# Altium PCB MB V7.PcbDoc (part 1 of 3) (continued)
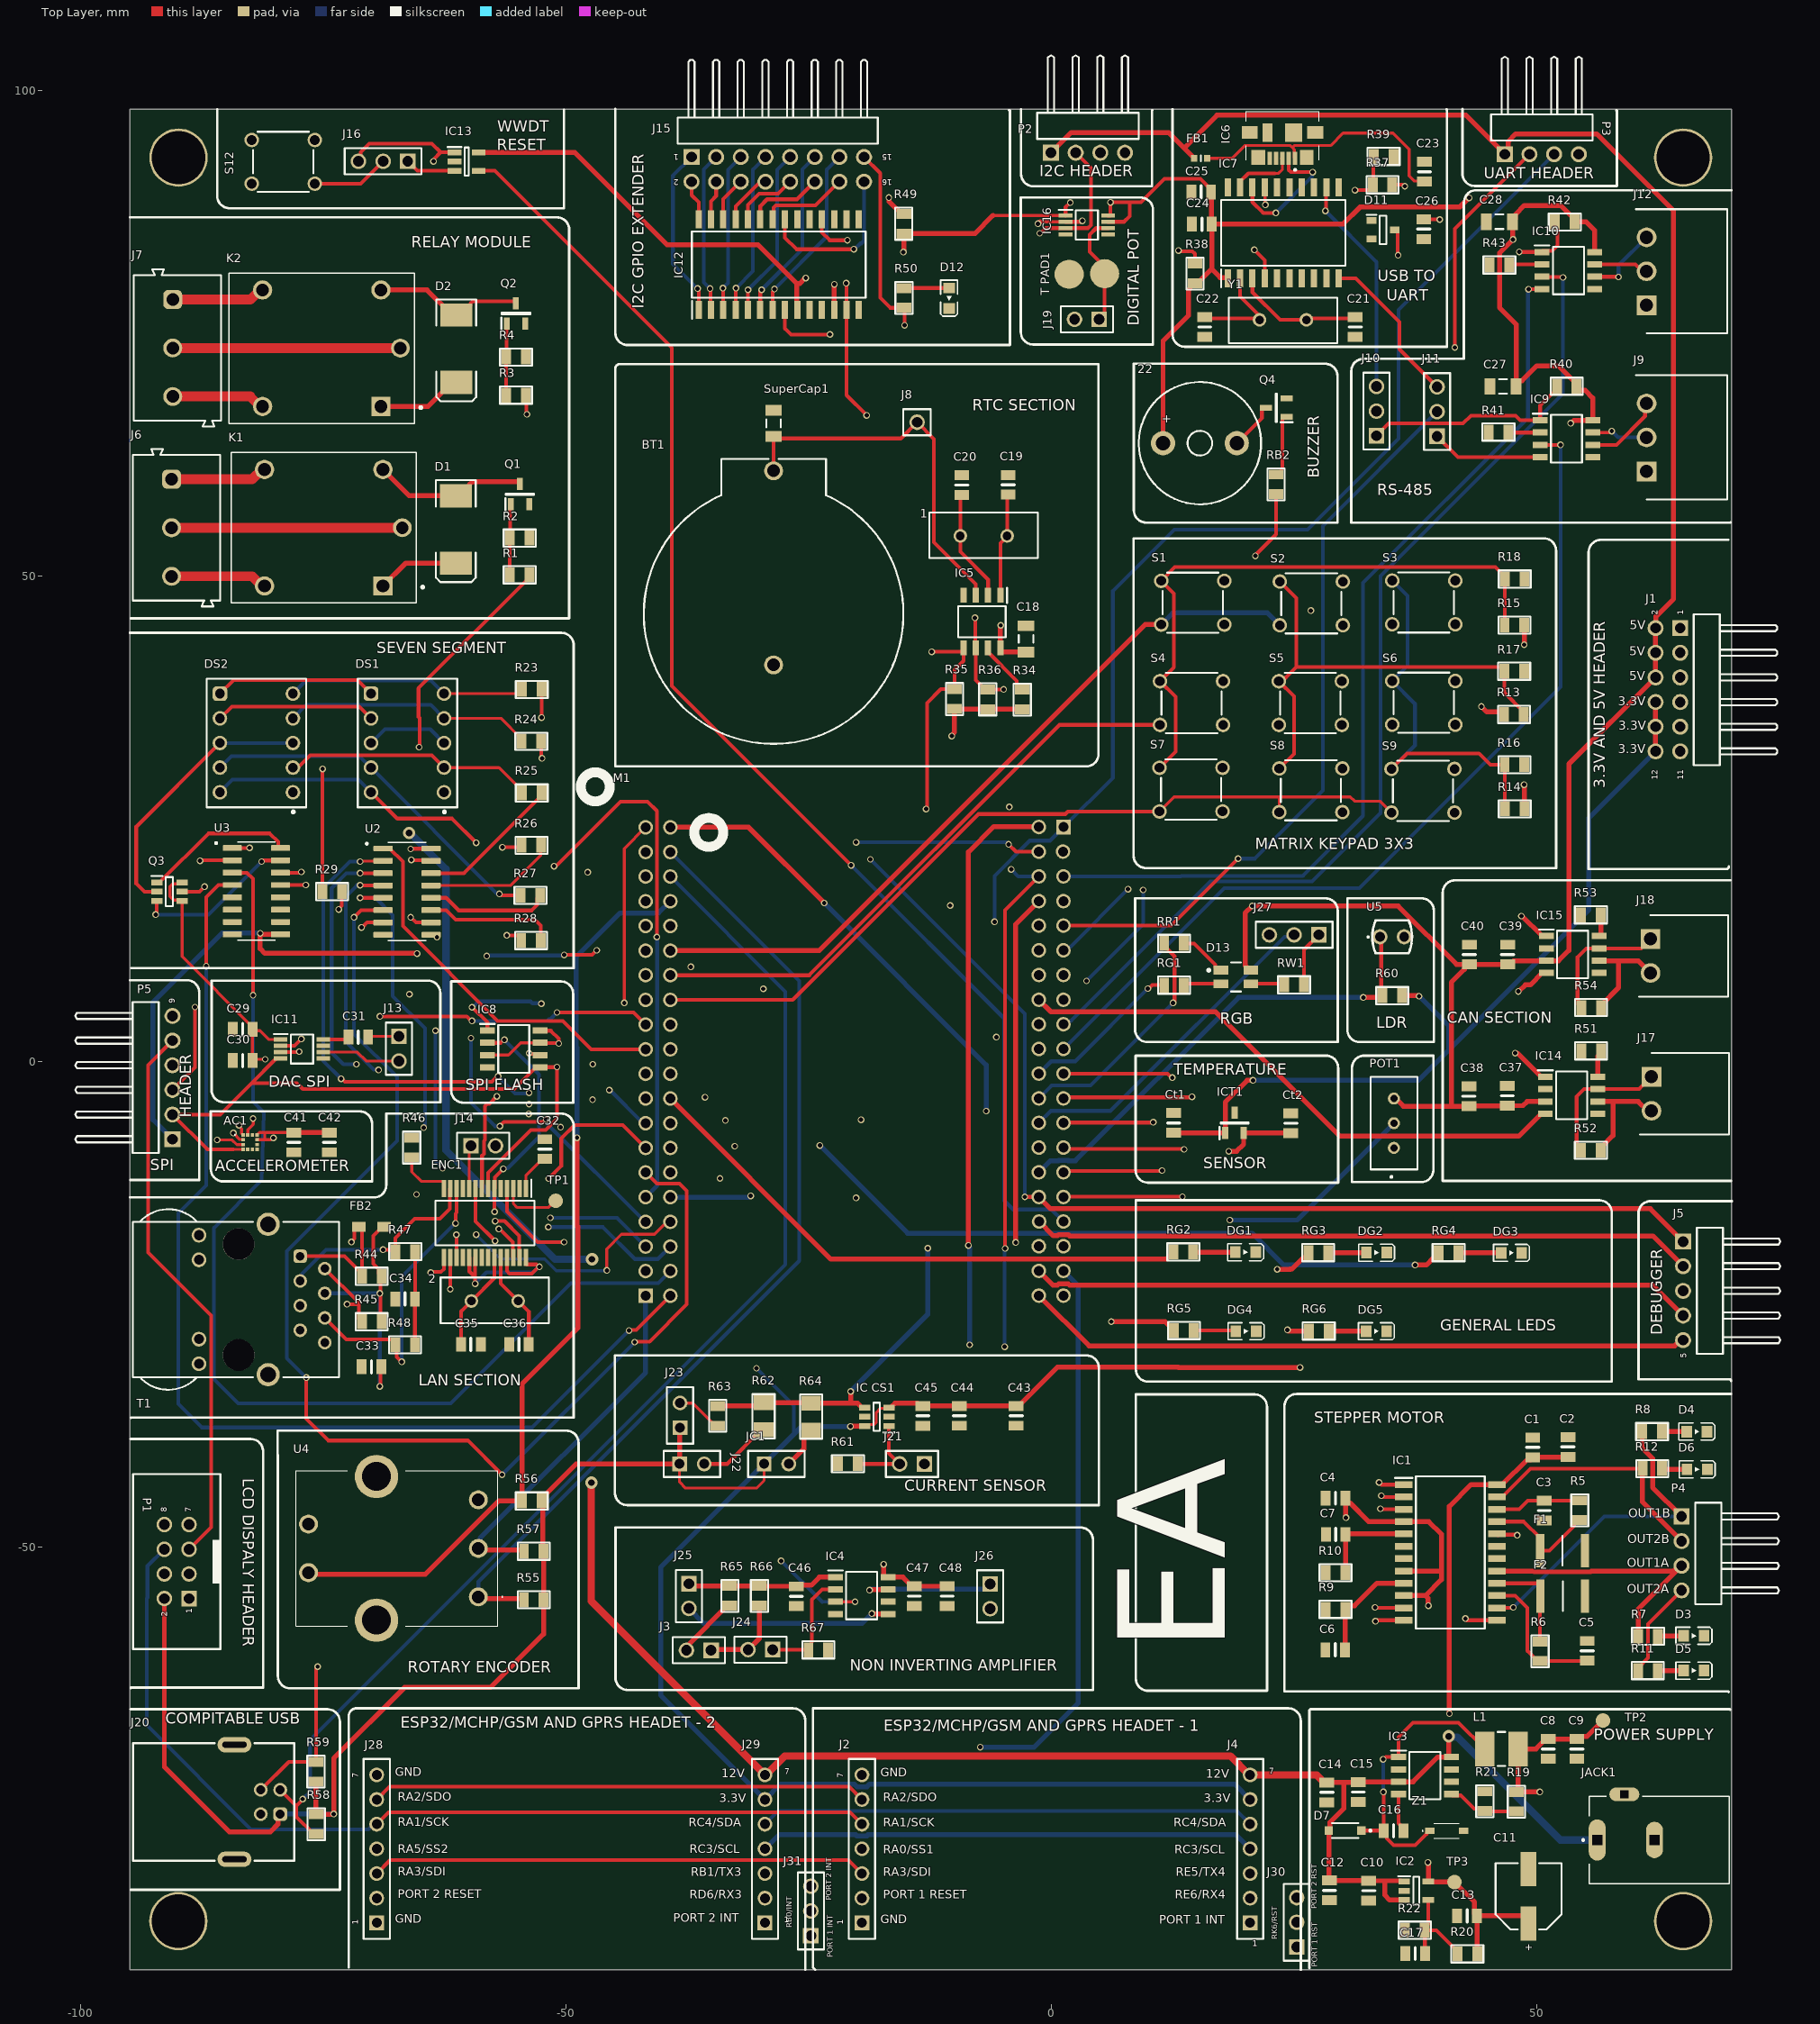
[diagram p0: Top Layer view]
## Components (designator, comment, footprint, x,y, rotation, side; value= is the part's Value field where it differs from the comment) (continued)
F1 "MF-MSMF050-2" FUSC4632X85N 52.692,-50.419 r180 top
F2 "MF-MSMF050-2" FUSC4632X85N 52.718,-55.093 r180 top
FB1 "BLM18SG121TN1D" BLM18EG101TH1D 15.416,93.015 r0 top
FB2 "320Ohm" WE-MPSA_0805_L2W1.2H0.9 -70.028,-17.043 r180 top
IC1 "MTS2916A" SOIC127P1046X264-24N 41.135,-50.597 r0 top
IC2 "MIC5207YM5-TR" SOT95P280X130-5N 37.625,-85.446 r0 top
IC3 "MIC4684BM" SOIC127P602X173-8N 38.519,-73.584 r0 top
IC4 "MCP607-I_SN" SOIC127P600X175-8N -19.52,-55.042 r0 top
IC5 "MCP79402-I_SN" SOIC127P600X175-8N -7.131,45.288 r270 top
IC6 "" 0473461001 23.838,94.996 r180 top
IC7 "MCP2200-I_SO" SOIC127P1030X265-20N 23.914,85.344 r90 top
IC8 "SST25VF512A-33-4C-SAE" SOIC127P600X175-8N -55.372,1.27 r0 top
IC9 "THVD1450D" SOIC127P600X175-8N 53.099,64.135 r0 top
IC10 "THVD1450D" SOIC127P600X175-8N 53.302,81.458 r0 top
IC11 "MCP4822-E_MS" SOP65P490X110-8N -77.191,1.27 r0 top
IC12 "MCP23017T-E_SO" SOIC127P1030X265-28N -28.067,82.067 r90 top
IC13 "MCP1320T-25LE_OT" SOT95P270X145-5N -60.223,92.685 r0 top
IC14 "MCP2551-E_SN" SOIC127P600X175-8N 53.632,-3.505 r0 top
IC15 "MCP2551-E_SN" SOIC127P600X175-8N 53.734,10.998 r0 top
IC16 "MCP4561-103E_MS" SOP65P490X110-8N 3.683,86.157 r0 top
"IC CS1" "MCP6C02T-020E_CHY" SOT95P280X145-6N -17.965,-36.627 r180 top
ICT1 "MCP9700T-E_TT" SOT95P237X112-3N 18.885,-6.35 r90 top
J1 "61301221021" 61301221021 67.551,38.278 r90 top
J2 "61300711821" 61300711821 -19.494,-81.128 r90 top
J3 "61300211121" 61300211121 -36.309,-60.681 r180 top
J4 "61300711821" 61300711821 20.506,-81.128 r90 top
J5 "61300511021" 61300511021 67.882,-23.647 r90 top
J6 "691101710003" 691101710003 -90.127,54.965 r270 top
J7 "691101710003" 691101710003 -90.018,73.482 r270 top
J8 "61300111121" 61300111121 -13.818,65.837 r0 top
J9 "284512-3" SHDRRA3W80P0X350_1X3_1250X920X745P 61.354,60.767 r270 top
J10 "61300311121" 61300311121 33.515,66.98 r90 top
J11 "61300311121" 61300311121 39.764,66.929 r90 top
J12 "284512-3" SHDRRA3W80P0X350_1X3_1250X920X745P 61.354,77.882 r270 top
J13 "61300211121" 61300211121 -67.208,1.295 r270 top
J14 "61300211121" 61300211121 -58.522,-8.712 r0 top
J15 "61301621021" 61301621021 -28.169,95.885 r180 top
J16 "61300311121" 61300311121 -68.834,92.71 r180 top
J17 "1844210" SHDRRA2W80P0X350_1X2_840X920X825P 61.862,-1.6 r270 top
J18 "1844210" SHDRRA2W80P0X350_1X2_840X920X825P 61.76,12.598 r270 top
J19 "61300211121" 61300211121 3.683,76.429 r180 top
J20 "61410416121R" 61410416121R -86.296,-76.302 r270 top
J21 "61300211121" 61300211121 -14.338,-41.478 r180 top
J22 "61300211821" 61300211821 -37.02,-41.478 r0 top
J23 "61300211821" 61300211821 -38.24,-36.474 r90 top
J24 "61300211121" 61300211121 -29.959,-60.604 r180 top
J25 "61300211121" 61300211121 -37.325,-55.093 r270 top
J26 "61300211121" 61300211121 -6.286,-55.118 r270 top
J27 "61300311121" 61300311121 25.032,13.03 r180 top
J28 "61300711821" 61300711821 -69.494,-81.128 r90 top
J29 "61300711821" 61300711821 -29.494,-81.128 r90 top
J30 "61300311121" 61300311121 25.298,-88.697 r90 top
J31 "61300311121" 61300311121 -24.765,-87.528 r90 top
JACK1 "JACK" JACK 64.961,-261.315 r90 top
JC1 "61300211821" 61300211821 -28.308,-41.478 r0 top
K1 "RELAY" RELAY -23.886,63.233 r180 top
K2 "RELAY" RELAY -24.088,81.73 r180 top
L1 "68uH, 0.33A" WE-LQ_1812 46.393,-70.841 r0 top
M1 "MCU CARD -PIC18F97J94" MCU-Card-PIC18f97j94 -19.939,-0.102 r0 top
P1 "61200821621" 61200821621 -90.106,-51.537 r90 top
P2 "61300411021" 61300411021 3.797,96.368 r180 top
P3 "61300411021" 61300411021 50.559,96.215 r180 top
P4 "61300411021" 61300411021 67.729,-50.698 r90 top
P5 "61300611021" 61300611021 -93.307,-1.676 r270 top
POT1 "3296W-1-101LF" 3296W-1 35.319,-6.375 r90 top
Q1 "S12302DS Nchanel SMD SOT-23" SOT-23-3N -54.737,58.42 r90 top
Q2 "S12302DS Nchanel SMD SOT-23" SOT-23-3N -55.143,77.038 r90 top
Q3 "DMP2240UDM-7" SOT95P285X140-6N -90.856,17.475 r0 top
Q4 "S12302DS Nchanel SMD SOT-23" SOT-23-3N 23.203,67.335 r180 top
R1 "0" SMD-0805-RES -54.762,50.114 r90 top value=1k
R2 "1k" SMD-0805-RES -54.762,53.899 r270 top
R3 "0" SMD-0805-RES -55.143,68.631 r90 top value=1k
R4 "1k" SMD-0805-RES -55.143,72.542 r270 top
R5 "1k" SMD-0805-RES 54.47,-46.253 r180 top
R6 "1k" SMD-0805-RES 50.381,-60.782 r180 top
R7 "4.7k" SMD-0805-RES 61.506,-59.233 r90 top
R8 "4.7k" SMD-0805-RES 61.913,-38.151 r90 top
R9 "56k" SMD-0805-RES 29.299,-56.464 r90 top
R10 "56k" SMD-0805-RES 29.299,-52.68 r90 top
R11 "4.7k" SMD-0805-RES 61.481,-62.763 r90 top
R12 "4.7k" SMD-0805-RES 61.938,-41.961 r90 top
R13 "220" SMD-0805-RES 47.689,35.738 r90 top
R14 "220" SMD-0805-RES 47.765,26.01 r270 top
R15 "220" SMD-0805-RES 47.739,44.933 r270 top
R16 "1k" SMD-0805-RES 47.739,30.556 r270 top
R17 "1k" SMD-0805-RES 47.714,40.183 r270 top
R18 "1k" SMD-0805-RES 47.765,49.682 r270 top
R19 "3.01k" SMD-0805-RES 47.943,-76.276 r180 top
R20 "470k" SMD-0805-RES 42.888,-91.948 r270 top
R21 "3.01k" SMD-0805-RES 44.691,-76.225 r0 top
R22 "10k" SMD-0805-RES 37.478,-89.51 r90 top
R23 "1K" SMD-0805-RES -53.518,38.303 r90 top value=1k
R24 "1K" SMD-0805-RES -53.569,32.969 r90 top value=1k
R25 "1K" SMD-0805-RES -53.518,27.635 r90 top value=1k
R26 "1K" SMD-0805-RES -53.543,22.25 r90 top value=1k
R27 "1K" SMD-0805-RES -53.645,17.094 r90 top value=1k
R28 "1K" SMD-0805-RES -53.594,12.446 r90 top value=1k
R29 "1K" SMD-0805-RES -74.092,17.475 r90 top value=1k
R34 "10K" SMD-0805-RES -2.972,37.262 r0 top value=1k
R35 "4.7K" SMD-0805-RES -9.957,37.313 r180 top value=1k
R36 "4.7K" SMD-0805-RES -6.528,37.287 r180 top value=1k
R37 "10K" SMD-0805-RES 34.15,90.297 r270 top value=1k
R38 "10K" SMD-0805-RES 14.821,81.153 r180 top value=1k
R39 "10K" SMD-0805-RES 34.252,93.218 r90 top value=1k
R40 "10K" SMD-0805-RES 53.124,69.545 r270 top value=1k
R41 "10K" SMD-0805-RES 46.088,64.821 r270 top value=1k
R42 "10K" SMD-0805-RES 52.921,86.462 r270 top value=1k
R43 "10K" SMD-0805-RES 46.19,82.042 r270 top value=1k
R44 "49.9" SMD-0805-RES -70.002,-22.149 r270 top
R45 "49.9" SMD-0805-RES -70.002,-26.822 r90 top
R46 "2.32k" SMD-0805-RES -65.888,-8.89 r0 top
R47 "49.9" SMD-0805-RES -66.548,-19.609 r270 top
R48 "49.9" SMD-0805-RES -66.573,-29.21 r90 top
R49 "10K" SMD-0805-RES -15.189,86.284 r0 top value=1k
R50 "1K" SMD-0805-RES -15.164,78.638 r0 top value=1k
R51 "10K" SMD-0805-RES 55.639,1.067 r90 top value=1k
R52 "120r" SMD-0805-RES 55.613,-9.169 r270 top value=1k
R53 "10K" SMD-0805-RES 55.613,15.088 r90 top value=1k
R54 "120r" SMD-0805-RES 55.639,5.537 r270 top value=1k
R55 "10K" SMD-0805-RES -53.315,-55.474 r90 top value=1k
R56 "10K" SMD-0805-RES -53.518,-45.288 r90 top value=1k
R57 "10K" SMD-0805-RES -53.315,-50.47 r90 top value=1k
R58 "10K" SMD-0805-RES -75.73,-78.588 r0 top value=1k
R59 "10K" SMD-0805-RES -75.755,-73.177 r0 top value=1k
R60 "1k" SMD-0805-RES 35.141,6.756 r90 top
R61 "20K" SMD-0805-RES -20.942,-41.453 r90 top value=1M
R62 "10 ohm" SMD-1206-RES -29.629,-36.576 r180 top value=0.22
R63 "0.1 ohm" SMD-0805-RES -34.353,-36.525 r180 top value=0.1
R64 "0 ohm" SMD-1206-RES -24.727,-36.601 r180 top value=0.22
R65 "4.75k" SMD-0805-RES -33.109,-55.067 r180 top
R66 "2k" SMD-0805-RES -30.061,-55.067 r0 top
R67 "2k" SMD-0805-RES -23.99,-60.63 r270 top
RB2 "1k" SMD-0805-RES 23.178,59.436 r180 top
RG1 "1k" SMD-0805-RES 12.662,7.849 r90 top
RG2 "1K" SMD-0805-RES 13.627,-19.634 r270 top value=1k
RG3 "1K" SMD-0805-RES 27.521,-19.71 r270 top value=1k
RG4 "1K" SMD-0805-RES 40.958,-19.71 r270 top value=1k
RG5 "1K" SMD-0805-RES 13.678,-27.737 r270 top value=1k
RG6 "1K" SMD-0805-RES 27.572,-27.788 r270 top value=1k
RR1 "1k" SMD-0805-RES 12.662,12.141 r90 top
RW1 "1k" SMD-0805-RES 25.032,7.874 r270 top
S1 "430156043726" 4301x60437x6 14.592,47.244 r0 top
S2 "430156043726" 4301x60437x6 26.81,47.168 r0 top
S3 "430156043726" 4301x60437x6 38.392,47.269 r0 top
S4 "430156043726" 4301x60437x6 14.465,36.906 r0 top
S5 "430156043726" 4301x60437x6 26.708,36.906 r0 top
S6 "430156043726" 4301x60437x6 38.392,36.932 r0 top
S7 "430156043726" 4301x60437x6 14.415,27.991 r0 top
S8 "430156043726" 4301x60437x6 26.759,27.915 r0 top
S9 "430156043726" 4301x60437x6 38.316,27.864 r0 top
S12 "430156043726" 4301x60437x6 -79.121,92.659 r0 top
SuperCap1 "Cap Semi" C1206 -28.6,65.71 r90 top
T1 "ARJM11D7-009-AB-EW2" 74990111211 -83.731,-24.536 r270 top
"T PAD1" "pad" pad 2.819,81.153 r0 top
TP1 "Test Point" pad2 -250.279,146.964 r0 top
TP2 "Test Point" pad2 -104.483,-267.144 r90 top
TP3 "Test Point" pad2 -119.774,-283.781 r90 top
U2 "ULN2003ADR" SOIC127P600X175-16N -66.37,17.475 r0 top
U3 "ULN2003ADR" SOIC127P600X175-16N -81.89,17.526 r0 top
U4 "PEC16-4220F-S0024" PEC164120FS0012 -59.02,-55.174 r90 top
U5 "S" NSL-19M51 35.136,12.827 r0 top
Y1 "12MHz" "Mini Crystal" 23.889,72.441 r180 top
Z1 "BAT46ZFILM" STPS0560Z 40.742,-79.273 r0 top

## Footprints (in the part's own frame and the unit in brackets; to place one, negate y for a bottom-side part, rotate by r counter-clockwise, add the part's x,y. Pads: shape width x height; smd on the part's side, far side on the other; paste and mask are expansions set on the pad)
1N4148WVGS08 [mm]
  rect 0.85x0.85 smd: 1(-1.675,0) 2(1.675,0)
  silkscreen extent -2.7,-0.77 1.35,0.77, body extent -1.85,-0.77 1.85,0.77, height 1.26
3296W-1 [mm]
  round 1.24 hole 0.74: 1(-2.54,0) 2(0,0) 3(2.54,0)
  silkscreen extent -5.64,-2.41 4.76,2.41, body extent -4.78,-2.48 4.78,2.35, height 11.55
4301x60437x6 [mm] "6x6mm Tact Switch, THT version"
  round 1.5 hole 1: 1(-3.25,2.25) 2(-3.25,-2.25) 3(3.25,2.25) 4(3.25,-2.25)
  silkscreen extent -3.1,-3.1 3.1,3.1, body extent -3.95,-3.1 3.95,3.1, height 4.35
79578211 [mm] "Battery Holder"
  round 1.95 hole 1.3: 1(-14.755,0) 2(5.245,0)
  silkscreen extent -15.97,-13.37 13.37,13.37, body extent -15.97,-13.38 13.38,13.37, height 9.6
0473461001 [mm]
  rect 0.45x1.38 smd: 1(-1.3,1.975) 2(-0.65,1.975) 3(0,1.975) 4(0.65,1.975) 5(1.3,1.975)
  rect 1.425x1.55 smd: MP1(-2.487,1.89) MP2(2.487,1.89)
  rect 1.65x1.3 smd: MP3(-3.375,-0.685) MP6(3.375,-0.685)
  rect 1.8x1.9 smd: MP4(-1.15,-0.685)
  rect 1x1.9 smd: MP5(1.55,-0.685)
  silkscreen extent -3.75,-2.84 3.75,3.26, body extent -3.9,-2.5 3.9,2.5, height 2.72
61200821621 [mm] "8 pins, straight, gold plating"
  rect 1.6x1.6 hole 1.1: 1(-3.81,-1.27)
  round 1.6 hole 1.1: 2(-3.81,1.27) 3(-1.27,-1.27) 4(-1.27,1.27) 5(1.27,-1.27) 6(1.27,1.27) 7(3.81,-1.27) 8(3.81,1.27)
  silkscreen extent -9.01,-4.5 9.01,4.5, body extent -8.91,-4.42 8.91,4.75, height 9.13
61300111121 [mm] "Pin Header, pitch 2.54 mm, THT, Vertical, single row, 1p"
  round 1.6 hole 1.1: 1(0,0)
  silkscreen extent -1.42,-1.35 1.42,1.35, body extent -1.27,-1.27 1.27,1.27, height 8.57
61300211121 [mm] "Pin Header, pitch 2.54 mm, THT, Vertical, single row, 2p"
  rect 1.6x1.6 hole 1.1: 1(-1.27,0)
  round 1.6 hole 1.1: 2(1.27,0)
  silkscreen extent -2.69,-1.35 2.69,1.35, body extent -2.54,-1.27 2.54,1.27, height 8.57
61300211821 [mm] "Socket Header, Pitch 2.54 mm, THT, Vertical, single row, 2p"
  rect 1.52x1.52 hole 1.02: 1(-1.27,0)
  round 1.52 hole 1.02: 2(1.27,0)
  silkscreen extent -2.92,-1.35 2.92,1.35, body extent -2.79,-1.25 2.79,1.25, height 8.55
61300311121 [mm] "Pin Header, pitch 2.54 mm, THT, Vertical, single row, 3p"
  rect 1.6x1.6 hole 1.1: 1(-2.54,0)
  round 1.6 hole 1.1: 2(0,0) 3(2.54,0)
  silkscreen extent -3.96,-1.35 3.96,1.35, body extent -3.81,-1.27 3.81,1.27, height 8.57
61300411021 [mm] "Pin Header, pitch 2.54 mm, THT, Angled, single row, 4p"
  rect 1.65x1.65 hole 1.1: 1(3.81,2.77)
  round 1.65 hole 1.1: 2(1.27,2.77) 3(-1.27,2.77) 4(-3.81,2.77)
  silkscreen extent -5.23,-7.27 5.23,1.35, body extent -5.08,-7.27 5.08,3.09, height 2.58
61300511021 [mm] "Pin Header, pitch 2.54 mm, THT, Angled, single row, 5p"
  rect 1.65x1.65 hole 1.1: 1(5.08,2.77)
  round 1.65 hole 1.1: 2(2.54,2.77) 3(0,2.77) 4(-2.54,2.77) 5(-5.08,2.77)
  silkscreen extent -6.5,-7.27 6.5,1.35, body extent -6.35,-7.27 6.35,3.09, height 2.58
61300611021 [mm] "Pin Header, pitch 2.54 mm, THT, Angled, single row, 6p"
  rect 1.65x1.65 hole 1.1: 1(6.35,2.77)
  round 1.65 hole 1.1: 2(3.81,2.77) 3(1.27,2.77) 4(-1.27,2.77) 5(-3.81,2.77) 6(-6.35,2.77)
  silkscreen extent -7.77,-7.27 7.77,1.35, body extent -7.62,-7.27 7.62,3.09, height 2.58
61300711821 [mm] "Socket Header, Pitch 2.54 mm, THT, Vertical, single row, 7p"
  rect 1.52x1.52 hole 1.02: 1(-7.62,0)
  round 1.52 hole 1.02: 2(-5.08,0) 3(-2.54,0) 4(0,0) 5(2.54,0) 6(5.08,0) 7(7.62,0)
  silkscreen extent -9.27,-1.35 9.27,1.35, body extent -9.14,-1.25 9.14,1.25, height 8.55
61301221021 [mm] "Pin Header, pitch 2.54 mm, THT, Angled, dual row, 12p"
  rect 1.65x1.65 hole 1.1: 1(6.35,2.73)
  round 1.65 hole 1.1: 2(6.35,5.27) 3(3.81,2.73) 4(3.81,5.27) 5(1.27,2.73) 6(1.27,5.27) 7(-1.27,2.73) 8(-1.27,5.27) 9(-3.81,2.73) 10(-3.81,5.27) 11(-6.35,2.73) 12(-6.35,5.27)
  silkscreen extent -7.77,-7.27 7.77,1.35, body extent -7.62,-7.27 7.62,5.63, height 5.12
61301621021 [mm] "Pin Header, pitch 2.54 mm, THT, Angled, dual row, 16p"
  rect 1.65x1.65 hole 1.1: 1(8.89,2.73)
  round 1.65 hole 1.1: 2(8.89,5.27) 3(6.35,2.73) 4(6.35,5.27) 5(3.81,2.73) 6(3.81,5.27) 7(1.27,2.73) 8(1.27,5.27) 9(-1.27,2.73) 10(-1.27,5.27) 11(-3.81,2.73) 12(-3.81,5.27) 13(-6.35,2.73) 14(-6.35,5.27) 15(-8.89,2.73) 16(-8.89,5.27)
  silkscreen extent -10.31,-7.27 10.31,1.35, body extent -10.16,-7.27 10.16,5.63, height 5.12
61410416121R [mm] "USB Type B Horizontal THR"
  rrect50% 1.42x1.42 hole 0.92: 1(1.25,6.86)
  round 1.42 hole 0.92: 2(-1.25,6.86) 3(-1.25,4.86) 4(1.25,4.86)
  oval 1.6x3.5 hole 0.6 slot 2.5 at 90 deg: Shell(-5.9,2.15) Shell(5.9,2.15)
  silkscreen extent -6.05,-8.3 6.05,8.3, body extent -6.2,-8.3 6.2,8.3, height 11.1
74990111211 [mm] "Integrated RJ45 Transformer, THT, body 16.00 x 21.25 mm"
  rrect50% 1.4x1.4 hole 0.9: 1(-4.45,6.35)
  round 1.4 hole 0.9: 2(-3.18,8.89) 3(-1.91,6.35) 4(-0.64,8.89) 5(0.63,6.35) 6(1.9,8.89) 7(3.17,6.35) 8(4.44,8.89)
  round 1.52 hole 1.03: 9(-6.625,-4.08) 10(-4.085,-4.08) 11(4.085,-4.08) 12(6.625,-4.08)
  round 3.25 hole 3.25 unplated: MH1(-5.715,0) MH2(5.715,0)
  round 2.4 hole 1.6: Shell(-7.745,3.05) Shell(7.745,3.05)
  silkscreen extent -9.3,-10.89 9.3,10.36, body extent -9.35,-10.89 9.35,10.36, height 14.95
691101710003 [mm] "5,00mm - modular - blue - Horizontal entry with pressure clamp - 12,6mm height - 03p"
  rrect50% 1.95x1.95 hole 1.3: 1(-5,-0.5)
  round 1.95 hole 1.3: 2(0,-0.5) 3(5,-0.5)
  silkscreen extent -8.1,-4.5 8.1,4.5, body extent -8.1,-4.5 8.1,4.5, height 12.65
BLM18EG101TH1D [mm]
  rect 0.65x0.7 smd: 1(-0.675,0) 2(0.675,0)
  silkscreen extent 0,-0.3 0,0.3, body extent -0.76,-0.25 0.84,0.25, height 0.4
"Buzzer 5v" [mm]
  round 2.5 hole 1.5: 1(-3.8,0) 2(3.8,0)
  silkscreen extent -6.3,-6.3 6.3,6.3, body extent -6,-6 6,6, height 10.3
C1206 [mm] "Chip Capacitor, Body 3.2x1.6mm, IPC High Density"
  rect 1.1x1.7 smd: 1(-1.35,0) 2(1.35,0)
  silkscreen extent -0.4,-0.75 0.4,0.75, body extent -1.7,-0.9 1.7,0.9, height 1.3
FUSC4632X85N [mm]
  rect 0.85x3.43 smd: 1(-2.3,0) 2(2.3,0)
  silkscreen extent 0,-1.52 0,1.52, body extent -2.27,-1.62 2.27,1.62, height 0.85
JACK [mm]
  oval 4.25x1.75 hole 1 square mask+0.05: A(181.102,8.694)
  oval 3.75x1.75 hole 1 square mask+0.05: B(181.102,2.794)
  oval 1.4x3.1 hole 0.8 square mask+0.05: C(185.802,5.894)
  silkscreen extent 176.6,-4.91 185.6,10.24, body extent 176.6,-4.91 185.96,9.49, height 10.8
LIS2DE12TR [mm]
  rect 0.375x0.35 smd: 1(-0.712,0.75) 2(-0.712,0.25) 3(-0.712,-0.25) 4(-0.712,-0.75) 7(0.712,-0.75) 8(0.712,-0.25) 9(0.712,0.25) 10(0.712,0.75)
  rect 0.35x0.375 smd: 5(-0.25,-0.75) 6(0.25,-0.75) 11(0.25,0.75) 12(-0.25,0.75)
  silkscreen extent -1.6,0.7 -1.5,0.8, body extent -1,-1 1,1, height 0.92
MCU-Card-PIC18f97j94 [mm] "MCU card module"
  round 1.5 hole 1.02: 1(-21.844,24.206) 2(-21.844,21.666) 3(-21.844,19.126) 4(-21.844,16.586) 5(-21.844,14.046) 6(-21.844,11.506) 7(-21.844,8.966) 8(-21.844,6.426) 9(-21.844,3.886) 10(-21.844,1.346) 11(-21.844,-1.194) 12(-21.844,-3.734) 13(-21.844,-6.274) 14(-21.844,-8.814) 15(-21.844,-11.354) 16(-21.844,-13.894) 17(-21.844,-16.434) 18(-21.844,-18.974) 19(-21.844,-21.514) 21(-19.304,24.206) 22(-19.304,21.666) 23(-19.304,19.126) 24(-19.304,16.586) 25(-19.304,14.046) 26(-19.304,11.506) 27(-19.304,8.966) 28(-19.304,6.426) 29(-19.304,3.886) 30(-19.304,1.346) 31(-19.304,-1.194) 32(-19.304,-3.734) 33(-19.304,-6.274) 34(-19.304,-8.814) 35(-19.304,-11.354) 36(-19.304,-13.894) 37(-19.304,-16.434) 38(-19.304,-18.974) 39(-19.304,-21.514) 40(-19.304,-24.054) 41(18.669,24.232) 42(18.669,21.692) 43(18.669,19.152) 44(18.669,16.612) 45(18.669,14.072) 46(18.669,11.532) 47(18.669,8.992) 48(18.669,6.452) 49(18.669,3.912) 50(18.669,1.372) 51(18.669,-1.168) 52(18.669,-3.708) 53(18.669,-6.248) 54(18.669,-8.788) 55(18.669,-11.328) 56(18.669,-13.868) 57(18.694,-16.408) 58(18.669,-18.948) 59(18.669,-21.488) 60(18.669,-24.028) 62(21.158,21.717) 63(21.209,19.152) 64(21.209,16.612) 65(21.209,14.072) 66(21.209,11.532) 67(21.209,8.992) 68(21.209,6.452) 69(21.209,3.912) 70(21.209,1.372) 71(21.209,-1.168) 72(21.209,-3.708) 73(21.209,-6.248) 74(21.209,-8.788) 75(21.209,-11.328) 76(21.209,-13.868) 77(21.209,-16.408) 78(21.209,-18.948) 79(21.209,-21.488) 80(21.209,-24.028)
  rect 1.5x1.5 hole 1.02: 20(-21.844,-24.054) 61(21.209,24.232)
  silkscreen extent -16.84,22.18 -13.85,25.17, body extent -25.07,-27.65 24.6,27.9, height 16.3
"Mini Crystal" [mm] "THD, 2-Leads, Body 4x10mm, Pitch 5mm"
  round 1.4 hole 0.9: 1(-2.413,-3.937) 2(2.413,-3.937)
  silkscreen extent -5.59,-6.22 5.59,-1.52, body extent -5.61,-6.24 5.59,-1.64, height 3.75
NSL-19M51 [mm]
  round 1.55 hole 1: 1(-1.25,0) 2(1.25,0)
  silkscreen extent -2.52,-1.7 2.05,1.7, body extent -2.05,-1.7 2.05,1.7, height 2.11
pad [mm]
  round 3 smd: 1(-0.965,-0.076) 2(2.692,-0.013)
pad2 [mm]
  round 1.5 smd mask+0.102: 1(199.225,-161.341)
PEC164120FS0012 [mm]
  round 1.95 hole 1.3: A1(0,0) B1(5,0) C1(10,0) D1(2.5,17.5) E1(7.5,17.5)
  round 4.46 hole 2.973: MH1(-2.4,10.5) MH2(12.4,10.5)
  silkscreen extent -3,-2.5 13,18.8, body extent -3.85,-1.95 13.85,18.75, height 30.47
RELAY [mm]
  rect 1.98x1.98 / inner round 1.98 / far side rect 1.98x1.98 hole 1.32: A1(44.967,14.268)
  round 1.98 hole 1.32: A2(44.967,2.268) NC(57.167,14.268) NO(57.167,2.268)
  round 1.935 hole 1.29: COM(42.967,8.268)
  silkscreen extent 40.77,0.52 60.62,16.02, body extent 41.47,0.47 60.67,16.07, height 15.8
SHDRRA2W80P0X350_1X2_840X920X825P [mm]
  rect 2.025x2.025 hole 1.35: 1(0,0)
  round 2.025 hole 1.35: 2(3.5,0)
  silkscreen extent -2.45,-1.2 5.95,8, body extent -2.45,-1.2 5.95,8, height 7.16
SHDRRA3W80P0X350_1X3_1250X920X745P [mm]
  rect 2.025x2.025 hole 1.35: 1(0,0)
  round 2.025 hole 1.35: 2(-3.5,0) 3(-7,0)
  silkscreen extent -9.9,-1.1 2.9,8.3, body extent -9.75,-1 2.75,8.2, height 7.25
SMC [mm] "DO-214-AB/SMC; 2 C-Bend Leads; Body 7.9 x 5.9 mm, inc. leads (LxW)"
  rect 2.4x3.3 smd: 1(-3.475,0) 2(3.475,0)
  silkscreen extent -5.07,-2.05 5.43,2.05
SMD-0805-RES [mil]
  rect 60x40 smd: 1(0,40) 2(0,-40)
  silkscreen extent -35,-65 35,65, body extent -24,-39 26,39, height 31
SMD-0805C [mil]
  rect 60x40 smd: 1(0,40) 2(0,-40)
  silkscreen extent -25,0 25,0, body extent -25,-39 25,39, height 35
SMD-1206-RES [mil]
  rect 80x60 smd: 1(0,55) 2(0,-55)
  silkscreen extent -45,-90 45,90, body extent -34,-66 34,66, height 33
SOIC127P600X175-8N [mm]
  rect 1.528x0.65 smd: 1(-2.711,1.905) 2(-2.711,0.635) 3(-2.711,-0.635) 4(-2.711,-1.905) 5(2.711,-1.905) 6(2.711,-0.635) 7(2.711,0.635) 8(2.711,1.905)
  silkscreen extent -3.47,-2.45 1.6,2.58, body extent -3.01,-2.45 3.01,2.45, height 1.63
SOIC127P600X175-16N [mm]
  rrect25% 1.97x0.6 smd: 1(-2.475,4.445) 2(-2.475,3.175) 3(-2.475,1.905) 4(-2.475,0.635) 5(-2.475,-0.635) 6(-2.475,-1.905) 7(-2.475,-3.175) 8(-2.475,-4.445) 9(2.475,-4.445) 10(2.475,-3.175) 11(2.475,-1.905) 12(2.475,-0.635) 13(2.475,0.635) 14(2.475,1.905) 15(2.475,3.175) 16(2.475,4.445)
  silkscreen extent -4.24,-5.06 1.95,5.06, body extent -3,-4.95 3,4.95, height 1.75
SOIC127P602X173-8N [mm]
  rect 1.55x0.65 smd: 1(-2.725,1.905) 2(-2.725,0.635) 3(-2.725,-0.635) 4(-2.725,-1.905) 5(2.725,-1.905) 6(2.725,-0.635) 7(2.725,0.635) 8(2.725,1.905)
  silkscreen extent -3.5,-2.44 1.6,2.58, body extent -3.01,-2.44 3.01,2.44, height 1.73
SOIC127P1030X265-20N [mm]
  rect 1.85x0.65 smd: 1(-4.675,5.715) 2(-4.675,4.445) 3(-4.675,3.175) 4(-4.675,1.905) 5(-4.675,0.635) 6(-4.675,-0.635) 7(-4.675,-1.905) 8(-4.675,-3.175) 9(-4.675,-4.445) 10(-4.675,-5.715) 11(4.675,-5.715) 12(4.675,-4.445) 13(4.675,-3.175) 14(4.675,-1.905) 15(4.675,-0.635) 16(4.675,0.635) 17(4.675,1.905) 18(4.675,3.175) 19(4.675,4.445) 20(4.675,5.715)
  silkscreen extent -5.6,-6.4 3.4,6.4, body extent -5.15,-6.4 5.15,6.4, height 2.65
SOIC127P1030X265-28N [mm]
  rect 1.85x0.65 smd: 1(-4.675,8.255) 2(-4.675,6.985) 3(-4.675,5.715) 4(-4.675,4.445) 5(-4.675,3.175) 6(-4.675,1.905) 7(-4.675,0.635) 8(-4.675,-0.635) 9(-4.675,-1.905) 10(-4.675,-3.175) 11(-4.675,-4.445) 12(-4.675,-5.715) 13(-4.675,-6.985) 14(-4.675,-8.255) 15(4.675,-8.255) 16(4.675,-6.985) 17(4.675,-5.715) 18(4.675,-4.445) 19(4.675,-3.175) 20(4.675,-1.905) 21(4.675,-0.635) 22(4.675,0.635) 23(4.675,1.905) 24(4.675,3.175) 25(4.675,4.445) 26(4.675,5.715) 27(4.675,6.985) 28(4.675,8.255)
  silkscreen extent -5.6,-8.95 3.4,8.95, body extent -5.15,-8.95 5.15,8.95, height 2.65
SOIC127P1046X264-24N [mm]
  rect 1.8x0.7 smd: 1(-4.8,6.985) 2(-4.8,5.715) 3(-4.8,4.445) 4(-4.8,3.175) 5(-4.8,1.905) 6(-4.8,0.635) 7(-4.8,-0.635) 8(-4.8,-1.905) 9(-4.8,-3.175) 10(-4.8,-4.445) 11(-4.8,-5.715) 12(-4.8,-6.985) 13(4.8,-6.985) 14(4.8,-5.715) 15(4.8,-4.445) 16(4.8,-3.175) 17(4.8,-1.905) 18(4.8,-0.635) 19(4.8,0.635) 20(4.8,1.905) 21(4.8,3.175) 22(4.8,4.445) 23(4.8,5.715) 24(4.8,6.985)
  silkscreen extent -5.7,-7.85 3.55,7.85, body extent -5.23,-7.85 5.23,7.85, height 2.64
SOP65P490X110-8N [mm]
  rect 1.4x0.45 smd: 1(-2.2,0.975) 2(-2.2,0.325) 3(-2.2,-0.325) 4(-2.2,-0.975) 5(2.2,-0.975) 6(2.2,-0.325) 7(2.2,0.325) 8(2.2,0.975)
  silkscreen extent -2.9,-1.5 1.15,1.55, body extent -2.45,-1.5 2.45,1.5, height 1.1
SOP65P780X200-28N [mm]
  rect 1.8x0.45 smd: 1(-3.55,4.225) 2(-3.55,3.575) 3(-3.55,2.925) 4(-3.55,2.275) 5(-3.55,1.625) 6(-3.55,0.975) 7(-3.55,0.325) 8(-3.55,-0.325) 9(-3.55,-0.975) 10(-3.55,-1.625) 11(-3.55,-2.275) 12(-3.55,-2.925) 13(-3.55,-3.575) 14(-3.55,-4.225) 15(3.55,-4.225) 16(3.55,-3.575) 17(3.55,-2.925) 18(3.55,-2.275) 19(3.55,-1.625) 20(3.55,-0.975) 21(3.55,-0.325) 22(3.55,0.325) 23(3.55,0.975) 24(3.55,1.625) 25(3.55,2.275) 26(3.55,2.925) 27(3.55,3.575) 28(3.55,4.225)
  silkscreen extent -4.45,-5.1 2.3,5.1, body extent -3.9,-5.1 3.9,5.1, height 2
SOT95P237X112-3N [mm]
  rect 1.25x0.65 smd: 1(-1.05,0.95) 2(-1.05,-0.95) 3(1.05,0)
  silkscreen extent -1.68,-1.43 0.08,1.53, body extent -1.18,-1.43 1.18,1.43, height 1.12
SOT95P240X120-3N [mm]
  rect 1x0.7 smd: 1(-1.2,0.95) 2(-1.2,-0.95) 3(1.2,0)
  silkscreen extent -1.7,-1.46 0.35,1.55, body extent -1.2,-1.46 1.2,1.46, height 1.2
SOT95P270X145-5N [mm]
  rect 1.4x0.6 smd: 1(-1.25,0.95) 2(-1.25,0) 3(-1.25,-0.95) 4(1.25,-0.95) 5(1.25,0.95)
  silkscreen extent -1.95,-1.45 0.2,1.5, body extent -1.35,-1.45 1.35,1.45, height 1.45
SOT95P280X130-5N [mm]
  rect 1.2x0.6 smd: 1(-1.25,0.95) 2(-1.25,0) 3(-1.25,-0.95) 4(1.25,-0.95) 5(1.25,0.95)
  silkscreen extent -1.85,-1.45 0.3,1.5, body extent -1.4,-1.45 1.4,1.45, height 1.3
SOT95P280X145-6N [mm]
  rect 1.15x0.6 smd: 1(-1.25,0.95) 2(-1.25,0) 3(-1.25,-0.95) 4(1.25,-0.95) 5(1.25,0) 6(1.25,0.95)
  silkscreen extent -1.83,-1.45 0.33,1.6, body extent -1.4,-1.45 1.4,1.45, height 1.45
SOT95P285X140-6N [mm]
  rect 1.15x0.6 smd: 1(-1.3,0.95) 2(-1.3,0) 3(-1.3,-0.95) 4(1.3,-0.95) 5(1.3,0) 6(1.3,0.95)
  silkscreen extent -1.88,-1.5 0.38,1.6, body extent -1.43,-1.5 1.43,1.5, height 1.4
SOT-23-3N [mm]
  rect 1.25x0.6 smd: 1(-1.05,0.95) 2(-1.05,-0.95) 3(1.05,0)
  silkscreen extent -1.68,-1.46 0.08,1.5, body extent -1.18,-1.46 1.18,1.46, height 1.12
STPS0560Z [mm]
  rect 0.97x0.65 smd: 1(-1.74,0) 2(1.74,0)
  silkscreen extent -2.5,-0.77 1.3,0.77, body extent -1.97,-0.85 1.97,0.85, height 1.45
WCAP-ASLI_6.3x5.5 [mm] "Aluminium Electrolytic V-Chip SMT Capacitors, 6.3x5.5mm"
  rect 3.5x1.6 smd: 1(-2.8,0) 2(2.8,0)
  silkscreen extent -3.4,-3.4 3.4,3.4, body extent -3.65,-3.3 3.65,3.3, height 5.5
WE-LQ_1812 [mm] "SMT Inductor, body 4.5x3.2mm"
  rect 2x3.6 smd: 1(-1.7,0) 2(1.7,0)
  silkscreen extent -0.4,-1.75 0.4,1.75, body extent -2.25,-1.6 2.25,1.6, height 2.59
WE-MPSA_0805_L2W1.2H0.9 [mm] "EMI Multilayer Power Suppresion Bead, body 2.00x1.20mm"
  rect 1.4x1 smd: 1(-1.3,0) 2(1.3,0)
  body extent -1,-0.6 1,0.6, height 0.9
WL-SFTW_3528_150141M173100 [mm] "SMT Full-color TOP LED Waterclear, body 3.5x2.8mm"
  rect 1.5x0.9 smd: 1(1.55,0.7) 2(1.55,-0.7) 3(-1.55,0.7) 4(-1.55,-0.7)
  silkscreen extent -2.92,-1.5 0.5,1.5, body extent -1.75,-1.4 1.75,1.4, height 1.9
WL-SMCW_0805 [mm] "SMD Mono-color Chip LED, body 2.0x1.25mm"
  rect 1.1x1.2 smd: 1(-1.05,0) 2(1.05,0)
  silkscreen extent -1.85,-0.88 1.85,0.88, body extent -1,-0.62 1,0.63, height 0.7
WL-T7DS_L13W10H7 [mm] "7 Segments Display THT Single Digit , body 10x13mm"
  rrect50% 1.5x1.5 hole 1: 1(-3.76,5.08)
  round 1.5 hole 1: 2(-3.76,2.54) 3(-3.76,0) 4(-3.76,-2.54) 5(-3.76,-5.08) 6(3.76,-5.08) 7(3.76,-2.54) 8(3.76,0) 9(3.76,2.54) 10(3.76,5.08)
  silkscreen extent -5.12,-7.22 5.13,6.63, body extent -5,-6.5 5,6.5, height 7.1
